# Altium PCB sudoku.PcbDoc (part 2 of 3)
Units mm, origin at the board's own origin, x right, y up, seen from the top; angles counter-clockwise.
Board outline 132.88 x 176.62 mm, 2 copper layers (Top Layer, Bottom Layer); 202 components, 219 nets, 913 pads, 533 vias.
Unrouted connection lines stored in the file: 35.
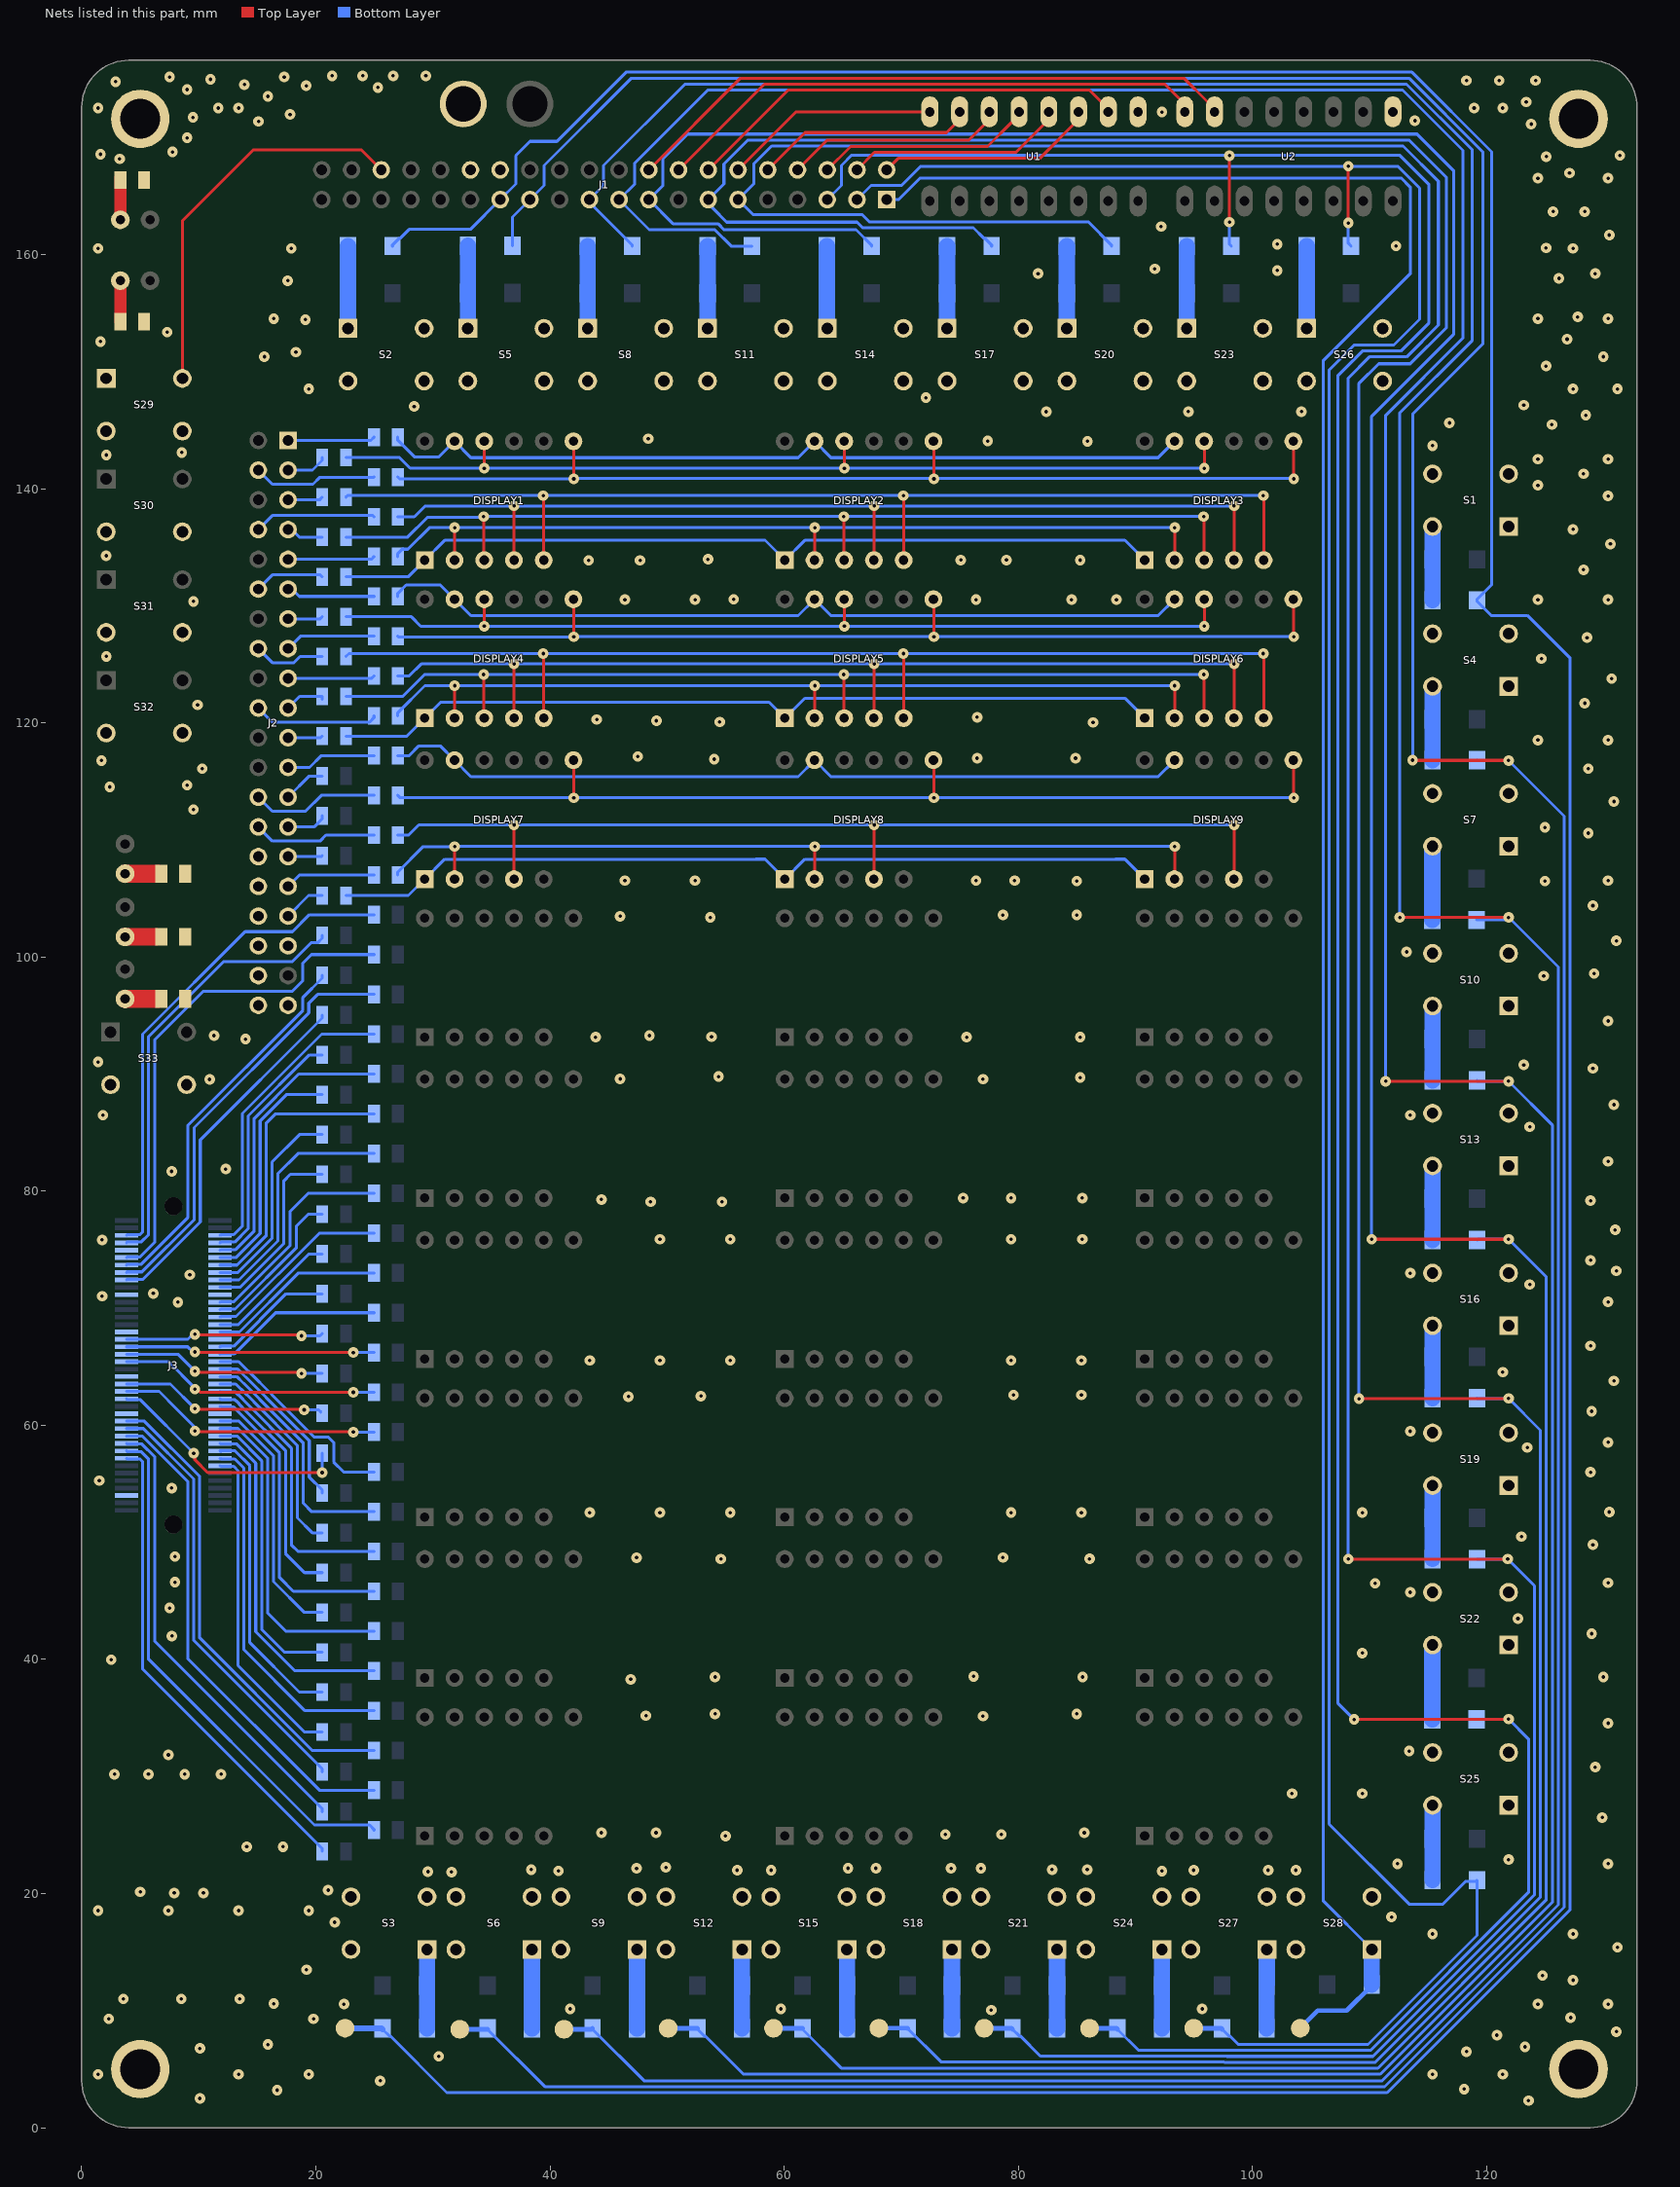
[diagram p2: the nets of this part, all layers, seen from the top]

## Via types
v1: diameter 0.9, hole 0.3, Top Layer to Bottom Layer, 533 vias

## Nets (pads, with @x,y where several pads share a name; then routed paths per layer and width w, separated by ;. In a path a pad name is that pad's centre, name@x,y a point inside that pad or via, vN(x,y) a via of type N, cw(c..) or ccw(c..) an arc to the next point about the centre after c; other vN are vias at no path point) (continued)
GND: J1.28 J1.30 J2.30 J2.32 J2.34 J2.35 J2.36 J2.38 J2.39 J2.40 J3.10 J3.21 J3.22 J3.32 J3.33 J3.44 J3.53 J3.54 J3.76 pad.25 pad.27 R73.2 R74.2 R75.2 R76.2 R77.2 S1.3 S1.4 S2.3 S2.4 S3.3 S3.4 S4.3 S4.4 S5.3 S5.4 S6.3 S6.4 S7.3 S7.4 S8.3 S8.4 S9.3 S9.4 S10.3 S10.4 S11.3 S11.4 S12.3 S12.4 S13.3 S13.4 S14.3 S14.4 S15.3 S15.4 S16.3 S16.4 S17.3 S17.4 S18.3 S18.4 S19.3 S19.4 S20.3 S20.4 S21.3 S21.4 S22.3 S22.4 S23.3 S23.4 S24.3 S24.4 S25.3 S25.4 S26.3 S26.4 S27.3 S27.4 S28.3 S28.4 S29.3 S29.4 S30.3 S30.4 S31.3 S31.4 S32.3 S32.4 S33.3 S33.4 U1.8 U2.8
  other v1: 123.6,2.314 10.1,2.5 16.7,3.2 118.1,3.3 25.5,4 1.4,4.55 13.4,4.55 19.4,4.55 115.4,4.55 121.4,4.55 30.5,6.1 118.3,6.5 10.1,6.768 123.3,6.9 15.9,7.1 120.9,7.9 131.1,8.2 2.314,9.3 19.8,9.3 127.2,9.4 77.706,10.038 41.725,10.15 59.725,10.15 95.725,10.15 22.4,10.55 124.4,10.55 130.4,10.55 16.4,10.6 3.557,11 8.5,11 13.5,11 127.4,12.6 124.8,13 19.2,13.5 131.2,15.4 115.4,16.55 127.4,16.55 21.61,17.547 111.9,18 1.4,18.55 7.4,18.55 13.4,18.55 19.4,18.55 7.9,20.05 10.4,20.05 5,20.15 21.046,20.291 31.594,21.838 29.573,21.874 92.278,21.925 40.73,21.938 56,22 58.9,21.996 95,22 101.361,22 103.725,22 38.4,22.05 82.9,22.05 85.9,22.05 47.4,22.157 74.265,22.157 76.817,22.157 65.463,22.162 67.847,22.162 49.908,22.236 112.4,22.55 130.4,22.55 121.9,22.9 14.1,24 17.2,24 55,24.92 73.782,25.054 78.567,25.054 44.4,25.2 49.065,25.2 85.647,25.2 129.9,26.5 103.4,28.55 109.4,28.55 2.8,30.2 5.7,30.2 8.8,30.2 11.9,30.2 129.3,30.8 7.4,31.85 113.4,32.177 130.4,34.55 76.999,35.157 48.2,35.2 54.1,35.35 85,35.35 46.9,38.3 54.1,38.5 85.5,38.5 130,38.5 76.2,38.554 2.525,39.985 109.4,40.55 7.7,42 129,42.2 122.7,43.49 7.5,44.4 113.5,45.74 110.5,46.5 130.4,46.55 7.96,46.6 54.6,48.58 86.1,48.6 47.4,48.7 78.7,48.714 7.96,48.8 129.1,49.8 123,50.5 43.4,52.55 49.4,52.55 55.4,52.55 79.4,52.55 85.4,52.55 109.4,52.55 130.5,52.6 7.69,54.648 1.5,55.283 128.9,56 123.5,58.1 130.4,58.55 113.5,59.5 129,61.2 46.7,62.464 52.9,62.5 79.6,62.6 85.4,62.6 130.9,63.8 121.4,64.55 43.4,65.55 49.4,65.55 55.4,65.55 79.4,65.55 85.4,65.55 128.9,66.8 8.216,70.523 130.4,70.55 1.744,71.03 6.116,71.274 123.7,72.035 9.235,72.863 113.5,73 131.1,73.2 128.9,74.1 1.744,75.85 49.4,75.907 55.4,75.907 79.4,75.907 85.474,75.898 131,76.7 48.6,79.1 54.7,79.1 128.9,79.2 44.4,79.3 75.3,79.428 79.4,79.428 85.474,79.42 7.69,81.7 12.3,81.9 130.4,82.55 123.7,85.5 1.817,86.5 113.5,86.5 130.9,87.4 10.93,89.56 76.999,89.58 46,89.6 85.3,89.714 54.4,89.8 129.1,90.5 123.2,90.8 1.4,91.05 14,93 43.9,93.17 75.6,93.17 85.3,93.17 53.8,93.2 11.3,93.3 48.5,93.3 130.4,94.55 124.9,98.4 129.2,98.6 113.189,100.456 131.1,101.4 53.7,103.4 46,103.5 78.7,103.6 85,103.6 129.1,104.4 85,106.5 125,106.5 46.4,106.55 52.4,106.55 76.4,106.55 79.7,106.55 130.4,106.55 128.7,110.6 125,111.084 9.546,112.616 130.9,113.3 2.4,114.55 9,114.7 10.3,116.1 128.7,116.1 1.687,116.8 54.039,116.919 76.5,117 84.9,117 47.5,117.143 124.4,118.55 130.4,118.55 86.4,120.05 54.5,120.1 49.1,120.2 44,120.3 76.5,120.5 9.9,121.55 128.4,121.7 130.7,123.8 124.7,125.5 2.1,125.7 128.6,127.3 9.538,130.399 46.4,130.55 52.4,130.55 76.4,130.55 84.559,130.55 88.4,130.55 124.4,130.55 130.4,130.55 55.7,130.58 128.3,133.1 43.3,133.9 47.7,133.9 85.3,133.92 75.1,133.928 79,133.928 53.5,134 2.094,134.3 130.6,135.3 127.4,136.55 130.4,139.4 124.4,140.314 128.3,141.3 124.4,142.55 130.4,142.55 2.1,142.9 8.546,143.123 115.4,143.7 85.917,144.08 77.4,144.1 48.4,144.3 125.6,145.5 116.845,145.645 128.5,146.3 82.4,146.6 94.542,146.613 104.207,146.613 28.4,147.05 123.2,147.163 72.112,147.8 19.4,148.55 127.4,148.55 131.2,148.55 125.1,150.5 15.6,151.3 130,151.3 18.3,151.7 1.6,152.6 126.9,152.8 7.3,153.4 19.1,154.47 16.4,154.55 124.4,154.55 130.4,154.55 127.8,154.7 17.6,157.8 126.2,158 81.7,158.4 129.3,158.4 102.142,158.674 91.672,158.807 1.4,160.55 17.9,160.55 127.4,160.55 125.1,160.6 112.275,160.758 102.142,160.911 130.5,161.7 92.207,162.425 125.7,163.7 128.4,163.7 124.4,166.55 130.4,166.55 127.1,167 3.232,168.2 125.121,168.4 131.4,168.5 1.6,168.6 7.754,168.8 9,170 123.832,171.173 15.1,171.4 113.891,171.465 9.5,171.752 17.8,172 92.281,172.206 1.4,172.55 11.67,172.55 13.4,172.55 118.956,172.55 121.4,172.55 123.4,173.068 15.9,173.55 9,174.125 25.3,174.3 19.181,174.454 13.9,174.55 2.899,174.8 118.3,174.9 121.1,174.9 124.2,174.9 11,175 7.5,175.2 17.3,175.2 21.4,175.3 24,175.3 26.6,175.3 29.4,175.3
J2R_ROW0LED0: J2.1 R46.2 | length 7.5
  Bottom Layer w0.254: J2.1@17.625,144.15 24.693,144.15 R46.2@24.968,144.425
J2R_ROW0LED1: J2.4 R48.2 | length 10.6
  Bottom Layer w0.254: J2.4@15.085,141.61 16.292,140.403 19.754,140.403 20.351,141 24.943,141 R48.2@24.968,141.025
J2R_ROW0LED2: J2.8 R50.2 | length 10.4
  Bottom Layer w0.254: J2.8@15.085,136.53 16.292,137.737 24.856,137.737 R50.2@24.968,137.625
J2R_ROW0LED3: J2.9 R52.2 | length 7.4
  Bottom Layer w0.254: J2.9@17.625,133.99 24.733,133.99 R52.2@24.968,134.225
J2R_ROW0LED4: J2.12 R53.2 | length 6
  Bottom Layer w0.254: J2.12@15.085,131.45 16.292,132.657 20.373,132.657 R53.2@20.538,132.491
J2R_ROW0LED5: J2.3 R55.2 | length 3.5
  Bottom Layer w0.254: J2.3@17.625,141.61 19.703,141.61 20.538,142.446 R55.2@20.538,142.7
J2R_ROW0LED6: J2.5 R57.2 | length 3
  Bottom Layer w0.254: J2.5@17.625,139.07 20.311,139.07 R57.2@20.538,139.297
J2R_ROW0LED7: J2.7 R59.2 | length 3.2
  Bottom Layer w0.254: J2.7@17.625,136.53 17.953,136.53 18.589,135.894 R59.2@20.538,135.894
J2R_ROW1LED0: J2.11 R30.2 | length 7.6
  Bottom Layer w0.254: J2.11@17.625,131.45 17.962,131.45 18.587,130.825 R30.2@24.968,130.825
J2R_ROW1LED1: J2.15 R32.2 | length 7.8
  Bottom Layer w0.254: J2.15@17.625,126.37 18.68,127.425 R32.2@24.968,127.425
J2R_ROW1LED2: J2.17 R34.2 | length 7.4
  Bottom Layer w0.254: J2.17@17.625,123.83 24.773,123.83 R34.2@24.968,124.025
J2R_ROW1LED3: J2.20 R36.2 | length 10.7
  Bottom Layer w0.254: J2.20@15.085,121.29 16.292,120.083 24.587,120.083 24.968,120.464 R36.2@24.968,120.625
J2R_ROW1LED4: J2.21 R37.2 | length 3
  Bottom Layer w0.254: J2.21@17.625,118.75 20.409,118.75 R37.2@20.538,118.88
J2R_ROW1LED5: J2.13 R39.2 | length 3
  Bottom Layer w0.254: J2.13@17.625,128.91 20.36,128.91 R39.2@20.538,129.089
J2R_ROW1LED6: J2.16 R41.2 | length 6.2
  Bottom Layer w0.254: J2.16@15.085,126.37 16.292,125.163 18.128,125.163 18.659,125.695 20.53,125.695 R41.2@20.538,125.686
J2R_ROW1LED7: J2.19 R43.2 | length 3.6
  Bottom Layer w0.254: J2.19@17.625,121.29 18.618,122.283 R43.2@20.538,122.283 R43.2@20.538,122.029
J2R_ROW2LED0: J2.23 R62.1 | length 7.8
  Bottom Layer w0.254: J2.23@17.625,116.21 19.463,116.21 20.478,117.225 R62.1@24.968,117.225
J2R_ROW2LED1: J2.26 R64.1 | length 10.9
  Bottom Layer w0.254: J2.26@15.085,113.67 16.292,112.463 19.118,112.463 20.48,113.825 R64.1@24.968,113.825
J2R_ROW2LED2: J2.28 R66.1 | length 10.6
  Bottom Layer w0.254: J2.28@15.085,111.13 16.292,109.923 20.357,109.923 20.859,110.425 R66.1@24.968,110.425
J2R_ROW2LED3: J2.31 R68.1 | length 7.7
  Bottom Layer w0.254: J2.31@17.625,106.05 18.6,107.025 R68.1@24.968,107.025
J2R_ROW2LED4: J2.33 R69.1 | length 3.6
  Bottom Layer w0.254: J2.33@17.625,103.51 19.384,105.269 R69.1@20.538,105.269
J2R_ROW2LED5: J2.25 R70.1 | length 3.7
  Bottom Layer w0.254: J2.25@17.625,113.67 19.432,115.477 R70.1@20.538,115.477
J2R_ROW2LED6: J2.27 R71.1 | length 3.5
  Bottom Layer w0.254: J2.27@17.625,111.13 19.848,111.13 20.538,111.82 R71.1@20.538,112.074
J2R_ROW2LED7: J2.29 R72.1 | length 2.9
  Bottom Layer w0.254: J2.29@17.625,108.59 20.457,108.59 R72.1@20.538,108.671
J2R_ROW3LED0: J3.06 R25.1 | length 42.4
  Bottom Layer w0.254: J3.06@3.825,76.238 3.879,76.292 4.983,76.292 5.206,76.515 5.206,93.421 13.962,102.177 17.999,102.177 19.447,103.625 R25.1@24.968,103.625
J2R_ROW3LED1: J3.12 R26.1 | length 42.9
  Bottom Layer w0.254: J3.12@3.825,74.333 3.879,74.387 4.983,74.387 6.222,75.626 6.222,92.922 10.397,97.097 17.999,97.097 18.895,97.993 18.895,99.491 19.629,100.225 R26.1@24.968,100.225
J2R_ROW3LED2: J3.16 R27.1 | length 36.1
  Bottom Layer w0.254: J3.16@3.825,73.063 3.879,73.117 5.15,73.117 9.6,77.567 9.6,85.44 19.4,95.24 19.4,96.068 20.157,96.825 R27.1@24.968,96.825
J2R_ROW3LED3: J3.05 R28.1 | length 25.9
  Bottom Layer w0.254: J3.05@11.825,76.238 11.879,76.292 12.983,76.292 13.717,77.026 13.717,86.644 20.498,93.425 R28.1@24.968,93.425
J2R_ROW3LED4: J3.07 R29.1 | length 21
  Bottom Layer w0.254: J3.07@11.825,75.603 11.879,75.657 13.066,75.657 14.225,76.815 14.225,86.434 19.448,91.657 R29.1@20.538,91.657
J2R_ROW3LED5: J3.08 R31.1 | length 37.6
  Bottom Layer w0.254: J3.08@3.825,75.603 3.879,75.657 5.066,75.657 5.714,76.304 5.714,93.211 12.14,99.637 17.999,99.637 19.593,101.231 20.157,101.231 20.538,101.612 R31.1@20.538,101.866
J2R_ROW3LED6: J3.14 R33.1 | length 32.4
  Bottom Layer w0.254: J3.14@3.825,73.698 3.879,73.752 5.066,73.752 9.057,77.742 9.057,85.615 18.892,95.45 18.892,96.562 20.538,98.209 R33.1@20.538,98.463
J2R_ROW3LED7: J3.18 R35.1 | length 30.3
  Bottom Layer w0.254: J3.18@3.825,72.428 3.852,72.454 5.206,72.454 10.125,77.373 10.125,84.392 20.538,94.806 R35.1@20.538,95.06
J2R_ROW4LED0: J3.09 R38.1 | length 25
  Bottom Layer w0.254: J3.09@11.825,74.968 11.879,75.022 13.15,75.022 14.733,76.605 14.733,86.224 18.534,90.025 R38.1@24.968,90.025
J2R_ROW4LED1: J3.13 R40.1 | length 24.1
  Bottom Layer w0.254: J3.13@11.825,73.698 13.262,73.698 15.749,76.184 15.749,85.803 16.571,86.625 R40.1@24.968,86.625
J2R_ROW4LED2: J3.17 R42.1 | length 21
  Bottom Layer w0.254: J3.17@11.825,72.428 13.429,72.428 16.765,75.763 16.765,81.515 18.475,83.225 R42.1@24.968,83.225
J2R_ROW4LED3: J3.23 R44.1 | length 18.7
  Bottom Layer w0.254: J3.23@11.825,70.523 11.879,70.577 13.015,70.577 17.781,75.342 17.781,78.256 19.35,79.825 R44.1@24.968,79.825
J2R_ROW4LED4: J3.25 R45.1 | length 13.2
  Bottom Layer w0.254: J3.25@11.825,69.888 11.879,69.942 13.099,69.942 18.35,75.193 18.35,77.046 19.35,78.046 R45.1@20.538,78.046
J2R_ROW4LED5: J3.11 R47.1 | length 20.1
  Bottom Layer w0.254: J3.11@11.825,74.333 11.852,74.359 13.206,74.359 15.241,76.394 15.241,86.013 17.482,88.254 R47.1@20.538,88.254
J2R_ROW4LED6: J3.15 R49.1 | length 17.4
  Bottom Layer w0.254: J3.15@11.825,73.063 13.346,73.063 16.257,75.974 16.257,82.507 18.601,84.851 R49.1@20.538,84.851
J2R_ROW4LED7: J3.19 R51.1 | length 15.8
  Bottom Layer w0.254: J3.19@11.825,71.793 13.513,71.793 17.273,75.553 17.273,80.9 17.822,81.449 R51.1@20.538,81.449
J2R_ROW5LED0: J3.27 R54.1 | length 16.1
  Bottom Layer w0.254: J3.27@11.825,69.253 11.879,69.307 13.182,69.307 20.301,76.425 R54.1@24.968,76.425
J2R_ROW5LED1: J3.31 R56.1 | length 15.2
  Bottom Layer w0.254: J3.31@11.825,67.983 13.471,67.983 18.514,73.025 R56.1@24.968,73.025
J2R_ROW5LED2: J3.37 R58.1 | length 14.6
  Bottom Layer w0.254: J3.37@11.825,66.078 11.879,66.132 13.066,66.132 16.56,69.625 R58.1@24.968,69.625
J2R_ROW5LED3: J3.36 R60.1 | length 21.3
  Top Layer w0.254: v1(9.667,66.278) 9.694,66.251 23.179,66.251 v1(23.205,66.225)
  Bottom Layer w0.254: J3.36@3.825,66.713 9.058,66.713 9.493,66.278 v1(9.667,66.278) ; v1(23.205,66.225) R60.1@24.968,66.225
J2R_ROW5LED4: J3.38 R61.1 | length 17.4
  Top Layer w0.254: v1(9.667,64.627) 9.763,64.53 18.676,64.53 v1(18.773,64.434)
  Bottom Layer w0.254: J3.38@3.825,66.078 8.216,66.078 v1(9.667,64.627) ; v1(18.773,64.434) R61.1@20.538,64.434
J2R_ROW5LED5: J3.29 R63.1 | length 11.2
  Bottom Layer w0.254: J3.29@11.825,68.618 13.388,68.618 19.413,74.643 R63.1@20.538,74.643
J2R_ROW5LED6: J3.35 R65.1 | length 10.6
  Bottom Layer w0.254: J3.35@11.825,66.713 11.879,66.767 12.983,66.767 17.456,71.24 R65.1@20.538,71.24
J2R_ROW5LED7: J3.34 R67.1 | length 17
  Top Layer w0.254: v1(9.667,67.783) 9.734,67.716 18.706,67.716 v1(18.773,67.65)
  Bottom Layer w0.254: J3.34@3.825,67.348 8.728,67.348 8.738,67.357 9.067,67.357 9.493,67.783 v1(9.667,67.783) ; v1(18.773,67.65) 20.351,67.65 R67.1@20.538,67.837
J2R_ROW6LED0: J3.40 R4.2 | length 22.3
  Top Layer w0.254: v1(9.667,63.103) 9.842,63.103 10.12,62.825 v1(23.205,62.825)
  Bottom Layer w0.254: J3.40@3.825,65.443 7.415,65.443 9.667,63.19 v1(9.667,63.103) ; v1(23.205,62.825) R4.2@24.968,62.825
J2R_ROW6LED1: J3.48 R6.2 | length 22.8
  Top Layer w0.254: v1(9.667,59.528) 9.719,59.476 23.154,59.476 v1(23.205,59.425)
  Bottom Layer w0.254: J3.48@3.825,62.903 6.605,62.903 8.075,61.433 9.544,59.964 9.544,59.651 v1(9.667,59.528) ; v1(23.205,59.425) R6.2@24.968,59.425
J2R_ROW6LED2: J3.39 R8.2 | length 18
  Bottom Layer w0.254: J3.39@11.825,65.443 13.407,65.443 14.223,64.627 14.245,64.627 16.254,62.618 16.254,62.596 19.85,59 21.074,59 21.525,58.549 21.525,56.865 22.365,56.025 R8.2@24.968,56.025
J2R_ROW6LED3: J3.43 R10.2 | length 21
  Bottom Layer w0.254: J3.43@11.825,64.173 13.241,64.173 13.803,63.611 13.824,63.611 15.238,62.197 15.238,62.175 18.93,58.483 18.93,53.341 19.646,52.625 R10.2@24.968,52.625
J2R_ROW6LED4: J3.45 R12.2 | length 17.6
  Bottom Layer w0.254: J3.45@11.825,63.538 13.157,63.538 13.592,63.103 13.614,63.103 14.73,61.987 14.73,61.965 18.422,58.273 18.422,52.1 19.699,50.823 R12.2@20.538,50.823
J2R_ROW6LED5: J3.46 R14.2 | length 17.6
  Top Layer w0.254: v1(9.667,61.433) 9.721,61.379 18.946,61.379 v1(19,61.325)
  Bottom Layer w0.254: J3.46@3.825,63.538 7.563,63.538 v1(9.667,61.433) ; v1(19,61.325) 20.245,61.325 R14.2@20.431,61.139
J2R_ROW6LED6: J3.50 R15.2 | length 21.3
  Top Layer w0.254: v1(9.565,57.623) 9.667,57.52 9.667,57.058 10.76,55.965 v1(20.538,55.965)
  Bottom Layer w0.254: J3.50@3.825,62.268 3.879,62.214 4.983,62.214 9.565,57.631 v1(9.565,57.623) ; v1(20.538,55.965) R15.2@20.538,57.629
J2R_ROW6LED7: J3.41 R17.2 | length 15.1
  Bottom Layer w0.254: J3.41@11.825,64.808 13.324,64.808 14.013,64.119 14.035,64.119 15.746,62.407 15.746,62.386 19.438,58.694 19.438,55.58 20.538,54.48 R17.2@20.538,54.226
J2R_ROW7LED0: J3.47 R1.2 | length 23.7
  Bottom Layer w0.254: J3.47@11.825,62.903 11.879,62.849 13.128,62.849 13.382,62.595 13.404,62.595 14.222,61.776 14.222,61.754 17.914,58.062 17.914,49.786 18.475,49.225 R1.2@24.968,49.225
J2R_ROW7LED1: J3.51 R2.2 | length 25.9
  Bottom Layer w0.254: J3.51@11.825,61.633 11.879,61.579 12.983,61.579 13.206,61.355 13.206,61.334 16.898,57.641 16.898,47.002 18.075,45.825 R2.2@24.968,45.825
J2R_ROW7LED2: J3.57 R3.2 | length 28.1
  Bottom Layer w0.254: J3.57@11.825,59.728 13.346,59.728 15.882,57.191 15.882,43.968 17.425,42.425 R3.2@24.968,42.425
J2R_ROW7LED3: J3.61 R5.2 | length 29.6
  Bottom Layer w0.254: J3.61@11.825,58.458 11.852,58.431 13.206,58.431 14.866,56.771 14.866,42.372 18.213,39.025 R5.2@24.968,39.025
J2R_ROW7LED4: J3.63 R7.2 | length 26.2
  Bottom Layer w0.254: J3.63@11.879,57.769 J3.63@11.825,57.823 13.096,57.823 14.358,56.56 14.358,41.442 18.589,37.211 R7.2@20.538,37.211
J2R_ROW7LED5: J3.49 R9.2 | length 20
  Bottom Layer w0.254: J3.49@11.825,62.268 11.879,62.214 13.044,62.214 13.171,62.087 13.193,62.087 13.714,61.566 13.714,61.544 17.406,57.852 17.406,49.05 19.036,47.42 R9.2@20.538,47.42
J2R_ROW7LED6: J3.55 R11.2 | length 21.8
  Bottom Layer w0.254: J3.55@11.825,60.363 13.429,60.363 16.39,57.402 16.39,46.65 19.023,44.017 R11.2@20.538,44.017
J2R_ROW7LED7: J3.59 R13.2 | length 24.8
  Bottom Layer w0.254: J3.59@11.825,59.093 13.262,59.093 15.374,56.981 15.374,42.583 17.342,40.614 R13.2@20.538,40.614
J2R_ROW8LED0: J3.65 R16.2 | length 31.2
  Bottom Layer w0.254: J3.65@11.825,57.188 11.879,57.134 13.066,57.134 13.85,56.35 13.85,40.85 19.075,35.625 R16.2@24.968,35.625
J2R_ROW8LED1: J3.56 R18.2 | length 40.9
  Bottom Layer w0.254: J3.56@3.825,60.363 5.346,60.363 10.073,55.635 10.073,41.844 19.692,32.225 R18.2@24.968,32.225
J2R_ROW8LED2: J3.60 R19.2 | length 42.5
  Bottom Layer w0.254: J3.60@3.825,59.093 3.852,59.066 5.206,59.066 9.057,55.215 9.057,40.078 20.31,28.825 R19.2@24.968,28.825
J2R_ROW8LED3: J3.64 R20.2 | length 44.6
  Bottom Layer w0.254: J3.64@3.825,57.823 3.879,57.769 5.066,57.769 5.714,57.121 5.714,40.019 19.873,25.86 24.587,25.86 24.968,25.479 R20.2@24.968,25.425
J2R_ROW8LED4: J3.66 R21.2 | length 41.2
  Bottom Layer w0.254: J3.66@3.825,57.188 3.879,57.134 4.983,57.134 5.206,56.91 5.206,39.186 20.538,23.854 R21.2@20.538,23.6
J2R_ROW8LED5: J3.67 R22.2 | length 27.9
  Bottom Layer w0.254: J3.67@11.825,56.553 11.879,56.499 12.983,56.499 13.342,56.139 13.342,39.49 19.023,33.809 R22.2@20.538,33.809
J2R_ROW8LED6: J3.58 R23.2 | length 37.1
  Bottom Layer w0.254: J3.58@3.825,59.728 5.262,59.728 9.565,55.425 9.565,41.633 20.538,30.66 R23.2@20.538,30.406
J2R_ROW8LED7: J3.62 R24.2 | length 39.1
  Bottom Layer w0.254: J3.62@3.825,58.458 3.879,58.404 5.15,58.404 6.25,57.303 6.25,41.545 20.538,27.257 R24.2@20.538,27.003
KEY0: D4.1 D5.1 D6.1 J1.27 pad.28@22.5,8.5 | length 373.6
  Bottom Layer w0.254: D6.1@25.7,8.407 26.273,7.834 26.358,7.834 31.192,3 47.609,3 47.617,2.992 111.521,2.992 127.156,18.627 127.156,125.544 123.5,129.2 120.405,129.2 119.2,130.405 D4.1@119.2,130.49 119.2,130.575 120.447,131.821 120.447,168.803 113.642,175.608 46.508,175.608 40.6,169.7 38.3,169.7 37.083,168.483 37.083,166.058 J1.27@35.75,164.725 33.208,162.183 27.975,162.183 27.208,161.416 27.123,161.416 26.55,160.843 D5.1@26.55,160.758
  Bottom Layer w0.5: pad.28@22.5,8.5 25.607,8.5 D6.1@25.7,8.407
KEY1: D10.1 D11.1 D12.1 J1.25 pad.28@32.3,8.407 | length 361.9
  Top Layer w0.254: v1(113.7,116.83) 113.715,116.815 121.885,116.815 v1(121.9,116.8)
  Bottom Layer w0.254: D12.1@34.669,8.407 39.568,3.508 47.819,3.508 47.827,3.5 111.311,3.5 126.648,18.837 126.648,112.052 v1(121.9,116.8) 119.23,116.8 D10.1@119.2,116.83 ; D11.1@36.8,160.783 36.8,163.235 J1.25@38.29,164.725 39.497,165.932 39.497,167.639 46.958,175.1 113.393,175.1 119.7,168.793 119.7,152.4 113.7,146.4 v1(113.7,116.83)
  Bottom Layer w0.4: pad.28@32.3,8.407 D12.1@34.669,8.407
KEY2: D16.1 D17.1 D18.1 J1.21 pad.28@41.2,8.407 | length 347.8
  Top Layer w0.254: v1(112.6,103.4) v1(121.9,103.4)
  Bottom Layer w0.254: D18.1@43.639,8.492 43.639,8.407 48.038,4.008 111.1,4.008 126.14,19.048 126.14,99.16 v1(121.9,103.4) 121.779,103.4 121.579,103.2 119.195,103.2 D16.1@119.175,103.18 ; D17.1@47.022,160.758 47.022,160.843 43.37,164.496 J1.21@43.37,164.725 44.577,165.932 44.577,167.639 51.53,174.592 113.183,174.592 118.8,168.975 118.8,152.7 112.6,146.5 v1(112.6,103.4)
  Bottom Layer w0.4: pad.28@41.2,8.407 43.554,8.407 D18.1@43.639,8.492
KEY3: D22.1 D23.1 D24.1 J1.19 pad.28@50.1,8.492 | length 342.6
  Top Layer w0.254: v1(111.4,89.4) v1(121.9,89.4)
  Bottom Layer w0.254: D24.1@52.608,8.492 52.608,8.407 53.181,7.834 53.266,7.834 56.516,4.584 95.659,4.584 95.675,4.568 110.942,4.568 125.632,19.258 125.632,85.668 v1(121.9,89.4) 119.265,89.4 D22.1@119.2,89.465 ; D23.1@57.258,160.758 55.482,160.758 54.082,162.158 48.477,162.158 J1.19@45.91,164.725 47.243,166.058 47.243,167.843 53.484,174.084 112.841,174.084 118,168.925 118,152.9 111.4,146.3 v1(111.4,89.4)
  Bottom Layer w0.4: pad.28@50.1,8.492 D24.1@52.608,8.492
KEY4: D28.1 D29.1 D30.1 J1.17 pad.28@59.1,8.492 | length 334.3
  Top Layer w0.254: v1(110.2,75.9) v1(121.9,75.9)
  Bottom Layer w0.254: D30.1@61.578,8.492 61.578,8.407 64.893,5.092 97.387,5.092 97.403,5.076 110.731,5.076 125.124,19.469 125.124,72.676 v1(121.9,75.9) 119.27,75.9 D28.1@119.2,75.83 ; D29.1@67.471,160.758 67.471,160.843 66.156,162.158 54.862,162.158 54.354,162.666 50.509,162.666 J1.17@48.45,164.725 49.657,165.932 49.657,168.241 51.742,170.325 114.079,170.325 117.2,167.204 117.2,153.2 110.2,146.2 v1(110.2,75.9)
  Bottom Layer w0.4: pad.28@59.1,8.492 D30.1@61.578,8.492
KEY5: D34.1 D35.1 D36.1 J1.13 pad.28@68.1,8.5 | length 325.4
  Top Layer w0.254: v1(109.121,62.279) 121.879,62.279 v1(121.9,62.3)
  Bottom Layer w0.254: D36.1@70.547,8.492 73.439,5.6 97.598,5.6 97.614,5.584 110.521,5.584 124.616,19.679 124.616,59.584 v1(121.9,62.3) 119.23,62.3 D34.1@119.2,62.33 ; D35.1@77.731,160.758 77.731,160.843 77.158,161.416 77.073,161.416 76.17,162.319 66.713,162.319 66.233,162.8 55.1,162.8 53.898,164.002 53.898,164.02 53.53,164.388 J1.13@53.53,164.725 54.863,166.058 54.863,167.765 56.915,169.817 113.387,169.817 116.6,166.604 116.6,153.8 113.5,150.7 110.8,150.7 109.092,148.992 109.092,62.308 v1(109.121,62.279)
  Bottom Layer w0.4: pad.28@68.1,8.5 70.539,8.5 D36.1@70.547,8.492
KEY6: D40.1 D41.1 D42.1 J1.11 pad.28@77.1,8.492 | length 319.9
  Top Layer w0.254: v1(108.2,48.58) v1(121.82,48.58)
  Bottom Layer w0.254: D42.1@79.517,8.407 80.09,7.834 80.175,7.834 81.901,6.108 97.808,6.108 97.824,6.092 110.31,6.092 124.108,19.89 124.108,46.292 v1(121.82,48.58) D40.1@119.2,48.58 ; D41.1@87.967,160.758 87.967,160.843 85.983,162.827 67.273,162.827 66.645,163.455 57.34,163.455 J1.11@56.07,164.725 57.403,166.058 57.403,167.765 58.947,169.309 112.891,169.309 115.9,166.3 115.9,154 113.184,151.284 110.004,151.284 108.2,149.48 v1(108.2,48.58)
  Bottom Layer w0.4: pad.28@77.1,8.492 79.432,8.492 D42.1@79.517,8.407
KEY7: D46.1 D47.1 D48.1 J1.5 pad.28@86.1,8.492 | length 275
  Top Layer w0.254: v1(98.05,162.8) v1(98.05,168.478) ; v1(108.7,34.875) 108.713,34.888 121.888,34.888 v1(121.9,34.9)
  Bottom Layer w0.254: J1.5@63.69,164.725 64.897,165.932 64.897,167.639 65.783,168.525 98.003,168.525 v1(98.05,168.478) ; D48.1@88.486,8.407 90.277,6.616 98.019,6.616 98.035,6.6 110.1,6.6 123.6,20.1 123.6,33.2 v1(121.9,34.9) 119.184,34.9 D46.1@119.175,34.891 ; v1(98.05,162.8) 98.05,160.911 D47.1@98.203,160.758 ; v1@98.05,168.525 112.575,168.525 115.1,166 115.1,154.2 112.692,151.792 109.412,151.792 107.327,149.707 107.327,36.248 v1(108.7,34.875)
  Bottom Layer w0.4: pad.28@86.1,8.492 88.401,8.492 D48.1@88.486,8.407
KEY8: D52.1 D53.1 D54.1 J1.3 pad.28@95,8.492 | length 251.6
  Top Layer w0.254: v1(108.2,162.725) v1(108.2,167.575)
  Bottom Layer w0.254: J1.3@66.23,164.725 67.437,165.932 70.041,165.932 71.684,167.575 112.425,167.575 114.3,165.7 114.3,154.5 112.1,152.3 108.7,152.3 106.569,150.169 106.569,25.931 113.4,19.1 116.3,19.1 118.256,21.056 119.115,21.056 D52.1@119.2,21.141 119.2,16.418 109.89,7.108 98.812,7.108 98.086,7.834 98.001,7.834 D54.1@97.428,8.407 ; v1(108.2,162.725) 108.2,160.998 D53.1@108.439,160.758
  Bottom Layer w0.4: pad.28@95,8.492 97.343,8.492 D54.1@97.428,8.407
KEY9: D55.2 J1.1 pad.28@104.1,8.5 S28.1 S28.2 | length 211.9
  Bottom Layer w0.254: J1.1@68.77,164.725 69.797,164.725 71.641,166.569 112.713,166.569 113.492,165.79 113.492,158.392 106.05,150.95 106.05,19.4 S28.1@110.225,15.225
  Bottom Layer w0.4: pad.28@104.1,8.5 105.6,10 108.06,10 110.2,12.14 D55.2@110.2,12.225
  Bottom Layer w1.4: D55.2@110.2,12.225 110.2,15.2 S28.1@110.225,15.225
LEDCOL0: J1.2 U1.6 | length 18.8
  Top Layer w0.254: J1.2@68.77,167.265 69.755,168.25 81.845,168.25 85.16,171.565 U1.6@85.16,172.225
LEDCOL1: J1.4 U1.5 | length 18.8
  Top Layer w0.254: J1.4@66.23,167.265 67.723,168.758 79.813,168.758 82.62,171.565 U1.5@82.62,172.225
LEDCOL2: J1.6 U1.4 | length 18.7
  Top Layer w0.254: J1.6@63.69,167.265 65.691,169.266 77.37,169.266 79.465,171.36 79.587,171.36 80.08,171.853 U1.4@80.08,172.225
LEDCOL3: J1.8 U1.3 | length 18.8
  Top Layer w0.254: J1.8@61.15,167.265 63.702,169.817 75.792,169.817 77.54,171.565 U1.3@77.54,172.225
LEDCOL4: J1.10 U1.2 | length 18.8
  Top Layer w0.254: J1.10@58.61,167.265 61.793,170.448 68.917,170.448 73.883,170.447 75,171.565 U1.2@75,172.225
LEDCOL5: J1.12 U1.1 | length 18.4
  Top Layer w0.254: J1.12@56.07,167.265 61.03,172.225 U1.1@72.46,172.225
LEDCOL6: J1.14 U1.7 | length 38
  Top Layer w0.254: J1.14@53.53,167.265 60.349,174.084 86.09,174.084 87.085,173.09 87.207,173.09 87.7,172.597 U1.7@87.7,172.225
LEDCOL7: J1.16 U2.1 | length 47.7
  Top Layer w0.254: J1.16@50.99,167.265 58.317,174.592 92.533,174.592 94.24,172.885 U2.1@94.24,172.225
LEDCOL8: J1.18 U2.2 | length 53
  Top Layer w0.254: J1.18@48.45,167.265 56.285,175.1 94.154,175.1 96.165,173.09 96.287,173.09 96.78,172.597 U2.2@96.78,172.225
NetD1_2: D1.2 D4.2 S1.1 S1.2 | length 6.3
  Bottom Layer w1.4: D4.2@115.4,130.49 D1.2@115.4,133.99 S1.2@115.4,136.796
NetD2_2: D2.2 D5.2 S2.1 S2.2 | length 7
  Bottom Layer w1.4: S2.1@22.75,153.725 D2.2@22.75,156.725 22.75,156.81 D5.2@22.75,160.758
NetD3_2: D3.2 D6.2 S3.1 S3.2 | length 6.7
  Bottom Layer w1.4: D6.2@29.5,8.492 D3.2@29.5,12.15 S3.1@29.5,15.225
NetD7_2: D7.2 D10.2 S4.1 S4.2 | length 6.3
  Bottom Layer w1.4: D10.2@115.4,116.83 D7.2@115.4,120.33 115.4,120.415 S4.2@115.4,123.14
NetD8_2: D8.2 D11.2 S5.1 S5.2 | length 7.1
  Bottom Layer w1.4: S5.1@32.986,153.725 33,153.739 D8.2@33,156.75 D11.2@33,160.783
NetD9_2: D9.2 D12.2 S6.1 S6.2 | length 6.7
  Bottom Layer w1.4: D12.2@38.469,8.492 D9.2@38.469,12.15 38.469,12.235 S6.1@38.469,15.225
NetD13_2: D13.2 D16.2 S7.1 S7.2 | length 6.3
  Bottom Layer w1.4: D16.2@115.375,103.18 D13.2@115.375,106.715 115.375,106.8 115.381,106.806 115.381,109.466 S7.2@115.4,109.484
NetD14_2: D14.2 D17.2 S8.1 S8.2 | length 7
  Bottom Layer w1.4: S8.1@43.222,153.725 D14.2@43.222,156.725 D17.2@43.222,160.758
NetD15_2: D15.2 D18.2 S9.1 S9.2 | length 6.7
  Bottom Layer w1.4: D18.2@47.439,8.492 D15.2@47.439,12.15 47.439,12.235 S9.1@47.439,15.225
NetD19_2: D19.2 D22.2 S10.1 S10.2 | length 6.4
  Bottom Layer w1.4: D22.2@115.4,89.465 D19.2@115.4,93 115.4,93.085 S10.2@115.4,95.829
NetD20_2: D20.2 D23.2 S11.1 S11.2 | length 7
  Bottom Layer w1.4: S11.1@53.458,153.725 D20.2@53.458,156.725 D23.2@53.458,160.758
NetD21_2: D21.2 D24.2 S12.1 S12.2 | length 6.7
  Bottom Layer w1.4: D24.2@56.408,8.492 D21.2@56.408,12.15 56.408,12.235 S12.1@56.408,15.225
NetD25_2: D25.2 D28.2 S13.1 S13.2 | length 6.3
  Bottom Layer w1.4: D28.2@115.4,75.83 D25.2@115.4,79.365 115.4,79.45 S13.2@115.4,82.173
NetD26_2: D26.2 D29.2 S14.1 S14.2 | length 7
  Bottom Layer w1.4: D29.2@63.671,160.758 D26.2@63.671,156.725 63.671,153.749 S14.1@63.695,153.725
NetD27_2: D27.2 D30.2 S15.1 S15.2 | length 6.7
  Bottom Layer w1.4: D30.2@65.378,8.492 D27.2@65.378,12.15 S15.1@65.378,15.225
NetD31_2: D31.2 D34.2 S16.1 S16.2 | length 6.2
  Bottom Layer w1.4: D34.2@115.4,62.33 D31.2@115.4,65.864 115.4,65.949 S16.2@115.4,68.517
NetD32_2: D32.2 D35.2 S17.1 S17.2 | length 7
  Bottom Layer w1.4: S17.1@73.931,153.725 D32.2@73.931,156.725 D35.2@73.931,160.758
NetD33_2: D33.2 D36.2 S18.1 S18.2 | length 6.7
  Bottom Layer w1.4: D36.2@74.347,8.492 D33.2@74.347,12.15 S18.1@74.347,15.225
NetD37_2: D37.2 D40.2 S19.1 S19.2 | length 6.3
  Bottom Layer w1.4: D40.2@115.4,48.58 D37.2@115.4,52.114 115.4,52.199 S19.2@115.4,54.861
NetD38_2: D38.2 D41.2 S20.1 S20.2 | length 7
  Bottom Layer w1.4: S20.1@84.167,153.725 D38.2@84.167,156.725 D41.2@84.167,160.758
NetD39_2: D39.2 D42.2 S21.1 S21.2 | length 6.7
  Bottom Layer w1.4: D42.2@83.317,8.492 D39.2@83.317,12.15 83.317,12.235 S21.1@83.317,15.225
NetD43_2: D43.2 D46.2 S22.1 S22.2 | length 6.4
  Bottom Layer w1.4: D46.2@115.375,34.891 D43.2@115.375,38.425 115.375,38.51 115.381,38.516 115.381,41.221 S22.2@115.4,41.24
NetD44_2: D44.2 D47.2 S23.1 S23.2 | length 7
  Bottom Layer w1.4: S23.1@94.403,153.725 D44.2@94.403,156.725 D47.2@94.403,160.758
NetD45_2: D45.2 D48.2 S24.1 S24.2 | length 6.7
  Bottom Layer w1.4: D48.2@92.286,8.492 D45.2@92.286,12.15 S24.1@92.286,15.225
NetD49_2: D49.2 D52.2 S25.1 S25.2 | length 6.4
  Bottom Layer w1.4: D52.2@115.4,21.141 D49.2@115.4,24.675 115.4,24.76 S25.2@115.4,27.55
NetD50_2: D50.2 D53.2 S26.1 S26.2 | length 7
  Bottom Layer w1.4: S26.1@104.639,153.725 D50.2@104.639,156.725 D53.2@104.639,160.758
NetD51_2: D51.2 D54.2 S27.1 S27.2 | length 6.7
  Bottom Layer w1.4: D54.2@101.228,8.492 101.228,8.577 D51.2@101.228,12.15 101.228,12.235 101.256,12.263 S27.1@101.256,15.225
NetD56_2: D56.2 R73.1 | length 2.8
  Top Layer w1.524: D56.2@3.702,107.135 R73.1@6.5,107.135
NetD57_2: D57.2 R74.1 | length 2.6
  Top Layer w1.524: D57.2@3.702,101.735 R74.1@6.292,101.735
NetD58_2: D58.2 R75.1 | length 2.8
  Top Layer w1.524: D58.2@3.702,96.435 R75.1@6.5,96.435
NetD59_2: D59.2 R76.1 | length 3.6
  Top Layer w1.016: D59.2@3.3,163 R76.1@3.3,166.6
NetD60_2: D60.2 R77.1 | length 3.5
  Top Layer w1.016: R77.1@3.3,154.3 3.3,154.852 D60.2@3.3,157.8
NEWGAME: J1.36 S29.1 S29.2 | length 33.7
  Top Layer w0.254: S29.2@8.594,149.45 8.594,162.894 14.684,168.984 23.871,168.984 J1.36@25.59,167.265
ROW0LED0: DISPLAY1.11 DISPLAY2.11 DISPLAY3.11 R46.1 | length 70.1
  Top Layer w0.254: DISPLAY1.11@31.841,144.073 DISPLAY1.11@31.849,144.08 ; DISPLAY2.11@62.608,144.073 DISPLAY2.11@62.615,144.08 ; DISPLAY3.11@93.358,144.073 DISPLAY3.11@93.365,144.08
  Bottom Layer w0.254: R46.1@27,144.425 27,144.171 28.418,142.753 30.521,142.753 DISPLAY1.11@31.849,144.08 33.254,142.675 61.21,142.675 62.615,144.08 64.02,142.675 ; 64.004,142.675 64.02,142.675 ; DISPLAY3.11@93.365,144.08 91.96,142.675 64.02,142.675
ROW0LED1: DISPLAY1.7 DISPLAY2.7 DISPLAY3.7 R48.1 | length 86.2
  Top Layer w0.254: v1@42.021,140.882 DISPLAY1.7@42.021,144.067 ; v1@72.788,140.882 DISPLAY2.7@72.788,144.067 ; v1@103.538,140.882 DISPLAY3.7@103.538,144.067
  Bottom Layer w0.254: R48.1@27,141.025 27.156,140.869 v1(42.034,140.869) v1@42.009,140.894 ; v1@42.059,140.894 72.776,140.894 v1(72.801,140.869) ; v1@72.809,140.894 v1@103.526,140.894
  other v1: 103.551,140.869
ROW0LED2: DISPLAY1.4 DISPLAY2.4 DISPLAY3.4 R50.1 | length 85.7
  Top Layer w0.254: DISPLAY1.4@36.929,133.92 v1(36.929,138.556) ; DISPLAY2.4@67.695,133.92 v1(67.695,138.556) ; DISPLAY3.4@98.445,133.92 v1(98.445,138.556)
  Bottom Layer w0.254: R50.1@27,137.625 28.418,137.625 29.349,138.556 v1(36.929,138.556) v1(67.695,138.556) v1(98.445,138.556)
ROW0LED3: DISPLAY1.2 DISPLAY2.2 DISPLAY3.2 R52.1 | length 75.9
  Top Layer w0.254: DISPLAY1.2@31.849,133.92 31.854,133.925 v1@31.854,136.695 ; DISPLAY2.2@62.615,133.92 62.621,133.925 v1@62.621,136.695 ; v1@62.621,136.71 v1@62.626,136.715 ; DISPLAY3.2@93.365,133.92 93.371,133.925 v1@93.371,136.695 ; v1@93.371,136.71 v1@93.376,136.715
  Bottom Layer w0.254: R52.1@27,134.225 27,134.479 27.381,134.86 27.859,134.86 29.699,136.7 v1(31.859,136.7) ; v1@31.884,136.712 62.614,136.712 v1(62.626,136.7) ; v1@62.634,136.712 v1@93.364,136.712
  other v1: 93.376,136.7
ROW0LED4: DISPLAY1.1 DISPLAY2.1 DISPLAY3.1 R53.1 | length 75.2
  Bottom Layer w0.254: R53.1@22.57,132.491 27.88,132.491 DISPLAY1.1@29.309,133.92 31.001,135.613 50.31,135.613 ; 52.059,135.613 50.31,135.613 ; 82.826,135.613 81.06,135.613 ; DISPLAY3.1@90.825,133.92 89.12,135.625 88.326,135.625 81.06,135.613 ; 50.31,135.613 57.576,135.625 58.37,135.625 60.075,133.92 61.768,135.613 81.06,135.613
ROW0LED5: DISPLAY1.10 DISPLAY2.10 DISPLAY3.10 R55.1 | length 80.6
  Top Layer w0.254: v1(34.384,141.775) 34.386,141.777 34.386,144.078 DISPLAY1.10@34.389,144.08 ; v1(65.151,141.775) 65.153,141.777 65.153,144.078 DISPLAY2.10@65.155,144.08 ; v1(95.901,141.775) v1(95.901,141.775) 95.903,144.078 DISPLAY3.10@95.905,144.08
  Bottom Layer w0.254: R55.1@22.57,142.7 27.134,142.7 28.059,141.775 v1(34.384,141.775) v1(65.151,141.775) v1(95.901,141.775)
ROW0LED6: DISPLAY1.5 DISPLAY2.5 DISPLAY3.5 R57.1 | length 95
  Top Layer w0.254: v1@39.46,139.404 39.46,133.928 DISPLAY1.5@39.469,133.92 ; v1(70.194,139.437) 70.227,139.404 70.227,133.928 DISPLAY2.5@70.235,133.92 ; v1(100.944,139.437) 100.977,139.404 100.977,133.928 DISPLAY3.5@100.985,133.92
  Bottom Layer w0.254: R57.1@22.57,139.297 22.71,139.437 v1(39.427,139.437) ; v1@39.44,139.45 70.181,139.45 v1(70.194,139.437) ; v1@70.19,139.45 v1@100.931,139.45
ROW0LED7: DISPLAY1.3 DISPLAY2.3 DISPLAY3.3 R59.1 | length 85.2
  Top Layer w0.254: v1@34.361,137.623 34.361,133.947 DISPLAY1.3@34.389,133.92 ; v1(65.101,137.65) 65.128,137.623 65.128,133.947 DISPLAY2.3@65.155,133.92 ; v1(95.851,137.65) 95.878,137.623 95.878,133.947 DISPLAY3.3@95.905,133.92
  Bottom Layer w0.254: R59.1@22.57,135.894 27.849,135.894 29.535,137.581 34.265,137.581 v1(34.334,137.65) ; v1@34.359,137.65 v1(65.101,137.65) ; v1@65.109,137.65 v1(95.851,137.65)
ROW1LED0: DISPLAY4.11 DISPLAY5.11 DISPLAY6.11 R30.1 | length 69.8
  Top Layer w0.254: DISPLAY4.11@31.841,130.573 DISPLAY4.11@31.849,130.58 ; DISPLAY5.11@62.608,130.573 DISPLAY5.11@62.615,130.58 ; DISPLAY6.11@93.358,130.573 DISPLAY6.11@93.365,130.58
  Bottom Layer w0.254: R30.1@27,130.825 27,131.079 27.72,131.799 30.63,131.799 DISPLAY4.11@31.849,130.58 33.254,129.175 61.21,129.175 62.615,130.58 64.02,129.175 ; 64.004,129.175 64.02,129.175 ; DISPLAY6.11@93.365,130.58 91.96,129.175 64.02,129.175
ROW1LED1: DISPLAY4.7 DISPLAY5.7 DISPLAY6.7 R32.1 | length 86.1
  Top Layer w0.254: v1@42.021,127.382 DISPLAY4.7@42.021,130.567 ; v1@72.788,127.382 DISPLAY5.7@72.788,130.567 ; v1@103.538,127.382 DISPLAY6.7@103.538,130.567
  Bottom Layer w0.254: R32.1@27,127.425 27.056,127.369 v1(42.034,127.369) ; v1@42.059,127.394 72.776,127.394 v1(72.801,127.369) ; v1@72.809,127.394 v1@103.526,127.394
  other v1: 103.551,127.369
ROW1LED2: DISPLAY4.4 DISPLAY5.4 DISPLAY6.4 R34.1 | length 85.8
  Top Layer w0.254: DISPLAY4.4@36.929,120.42 v1(36.929,125.056) ; DISPLAY5.4@67.695,120.42 v1(67.695,125.056) ; DISPLAY6.4@98.445,120.42 v1(98.445,125.056)
  Bottom Layer w0.254: R34.1@27,124.025 27.975,124.025 29.006,125.056 v1(36.929,125.056) v1(67.695,125.056) v1(98.445,125.056)
ROW1LED3: DISPLAY4.2 DISPLAY5.2 DISPLAY6.2 R36.1 | length 75.9
  Top Layer w0.254: DISPLAY4.2@31.849,120.42 31.854,120.425 v1@31.854,123.195 ; DISPLAY5.2@62.615,120.42 62.621,120.425 v1@62.621,123.195 ; v1@62.621,123.21 v1@62.626,123.215 ; DISPLAY6.2@93.365,120.42 93.371,120.425 v1@93.371,123.195 ; v1@93.371,123.21 v1@93.376,123.215
  Bottom Layer w0.254: R36.1@27,120.625 27,120.879 29.321,123.2 v1(31.859,123.2) ; v1@31.884,123.212 62.614,123.212 v1(62.626,123.2) ; v1@62.634,123.212 v1@93.364,123.212
  other v1: 93.376,123.2
ROW1LED4: DISPLAY4.1 DISPLAY5.1 DISPLAY6.1 R37.1 | length 71.4
  Bottom Layer w0.254: R37.1@22.57,118.88 27.769,118.88 DISPLAY4.1@29.309,120.42 30.663,121.775 58.72,121.775 60.075,120.42 61.768,122.113 81.06,122.113 88.326,122.125 89.12,122.125 DISPLAY6.1@90.817,120.428
ROW1LED5: DISPLAY4.10 DISPLAY5.10 DISPLAY6.10 R39.1 | length 80.6
  Top Layer w0.254: v1(34.384,128.275) 34.386,128.277 34.386,130.578 DISPLAY4.10@34.389,130.58 ; v1(65.151,128.275) 65.153,128.277 65.153,130.578 DISPLAY5.10@65.155,130.58 ; v1(95.901,128.275) v1(95.901,128.275) 95.903,130.578 DISPLAY6.10@95.905,130.58
  Bottom Layer w0.254: R39.1@22.57,129.089 28.16,129.089 28.974,128.275 v1(34.384,128.275) v1(65.151,128.275) v1(95.901,128.275)
ROW1LED6: DISPLAY4.5 DISPLAY5.5 DISPLAY6.5 R41.1 | length 95
  Top Layer w0.254: v1@39.46,125.904 39.46,120.428 DISPLAY4.5@39.469,120.42 ; v1(70.194,125.937) 70.227,125.904 70.227,120.428 DISPLAY5.5@70.235,120.42 ; v1(100.944,125.937) 100.977,125.904 100.977,120.428 DISPLAY6.5@100.985,120.42
  Bottom Layer w0.254: R41.1@22.57,125.686 22.822,125.937 v1(39.427,125.937) ; v1@39.44,125.95 70.181,125.95 v1(70.194,125.937) ; v1@70.19,125.95 v1@100.931,125.95
ROW1LED7: DISPLAY4.3 DISPLAY5.3 DISPLAY6.3 R43.1 | length 85.2
  Top Layer w0.254: v1@34.361,124.123 34.361,120.447 DISPLAY4.3@34.389,120.42 ; v1(65.101,124.15) 65.128,124.123 65.128,120.447 DISPLAY5.3@65.155,120.42 ; v1(95.851,124.15) 95.878,124.123 95.878,120.447 DISPLAY6.3@95.905,120.42
  Bottom Layer w0.254: R43.1@22.57,122.283 27.426,122.283 29.294,124.15 v1(34.334,124.15) ; v1@34.359,124.15 v1(65.101,124.15) ; v1@65.109,124.15 v1(95.851,124.15)
ROW2LED0: DISPLAY7.11 DISPLAY8.11 DISPLAY9.11 R62.2 | length 69.6
  Top Layer w0.254: DISPLAY7.11@31.841,116.823 DISPLAY7.11@31.849,116.83 ; DISPLAY8.11@62.608,116.823 DISPLAY8.11@62.615,116.83 ; DISPLAY9.11@93.358,116.823 DISPLAY9.11@93.365,116.83
  Bottom Layer w0.254: R62.2@27,117.225 27.98,117.225 28.804,118.049 30.63,118.049 DISPLAY7.11@31.849,116.83 33.254,115.425 61.21,115.425 62.607,116.822 62.615,116.83 64.02,115.425 ; 64.004,115.425 64.02,115.425 ; DISPLAY9.11@93.365,116.83 93.357,116.822 91.96,115.425 64.02,115.425
ROW2LED1: DISPLAY7.7 DISPLAY8.7 DISPLAY9.7 R64.2 | length 86.1
  Top Layer w0.254: v1@42.021,113.632 DISPLAY7.7@42.021,116.817 ; v1@72.788,113.632 DISPLAY8.7@72.788,116.817 ; v1@103.538,113.632 DISPLAY9.7@103.538,116.817
  Bottom Layer w0.254: R64.2@27,113.825 27.206,113.619 v1(42.034,113.619) ; v1@42.059,113.644 72.776,113.644 v1(72.801,113.619) ; v1@72.809,113.644 v1@103.526,113.644
  other v1: 103.551,113.619
ROW2LED2: DISPLAY7.4 DISPLAY8.4 DISPLAY9.4 R66.2 | length 85.7
  Top Layer w0.254: DISPLAY7.4@36.929,106.67 v1(36.929,111.306) ; DISPLAY8.4@67.695,106.67 v1(67.695,111.306) ; DISPLAY9.4@98.445,106.67 v1(98.445,111.306)
  Bottom Layer w0.254: R66.2@27,110.425 27.925,110.425 28.806,111.306 v1(36.929,111.306) v1(67.695,111.306) v1(98.445,111.306)
ROW2LED3: DISPLAY7.2 DISPLAY8.2 DISPLAY9.2 R68.2 | length 75.8
  Top Layer w0.254: DISPLAY7.2@31.849,106.67 31.854,106.675 v1@31.854,109.445 ; DISPLAY8.2@62.615,106.67 62.621,106.675 v1@62.621,109.445 ; v1@62.621,109.46 v1@62.626,109.465 ; DISPLAY9.2@93.365,106.67 93.371,106.675 v1@93.371,109.445 ; v1@93.371,109.46 v1@93.376,109.465
  Bottom Layer w0.254: R68.2@27,107.025 27,107.279 29.171,109.45 v1(31.859,109.45) ; v1@31.884,109.463 62.614,109.463 v1(62.626,109.45) ; v1@62.634,109.463 v1@93.364,109.463
  other v1: 93.376,109.45
ROW2LED4: DISPLAY7.1 DISPLAY8.1 DISPLAY9.1 R69.2 | length 75.2
  Bottom Layer w0.254: R69.2@22.57,105.269 27.907,105.269 DISPLAY7.1@29.309,106.67 31.001,108.362 50.31,108.362 ; 52.059,108.362 50.31,108.362 ; 82.826,108.362 81.06,108.362 ; DISPLAY9.1@90.825,106.67 89.12,108.375 88.326,108.375 81.06,108.362 ; 50.31,108.362 57.576,108.375 58.37,108.375 60.075,106.67 61.768,108.362 81.06,108.362